# Altium PCB unisat_top.PcbDoc (part 2 of 2)
Units mm, origin at the board's own origin, x right, y up, seen from the top; angles counter-clockwise.
Board outline 111 x 111 mm, 2 copper layers (Top Layer, Bottom Layer), stack 0.98 mm thick; 125 components, 78 nets, 412 pads, 405 vias.
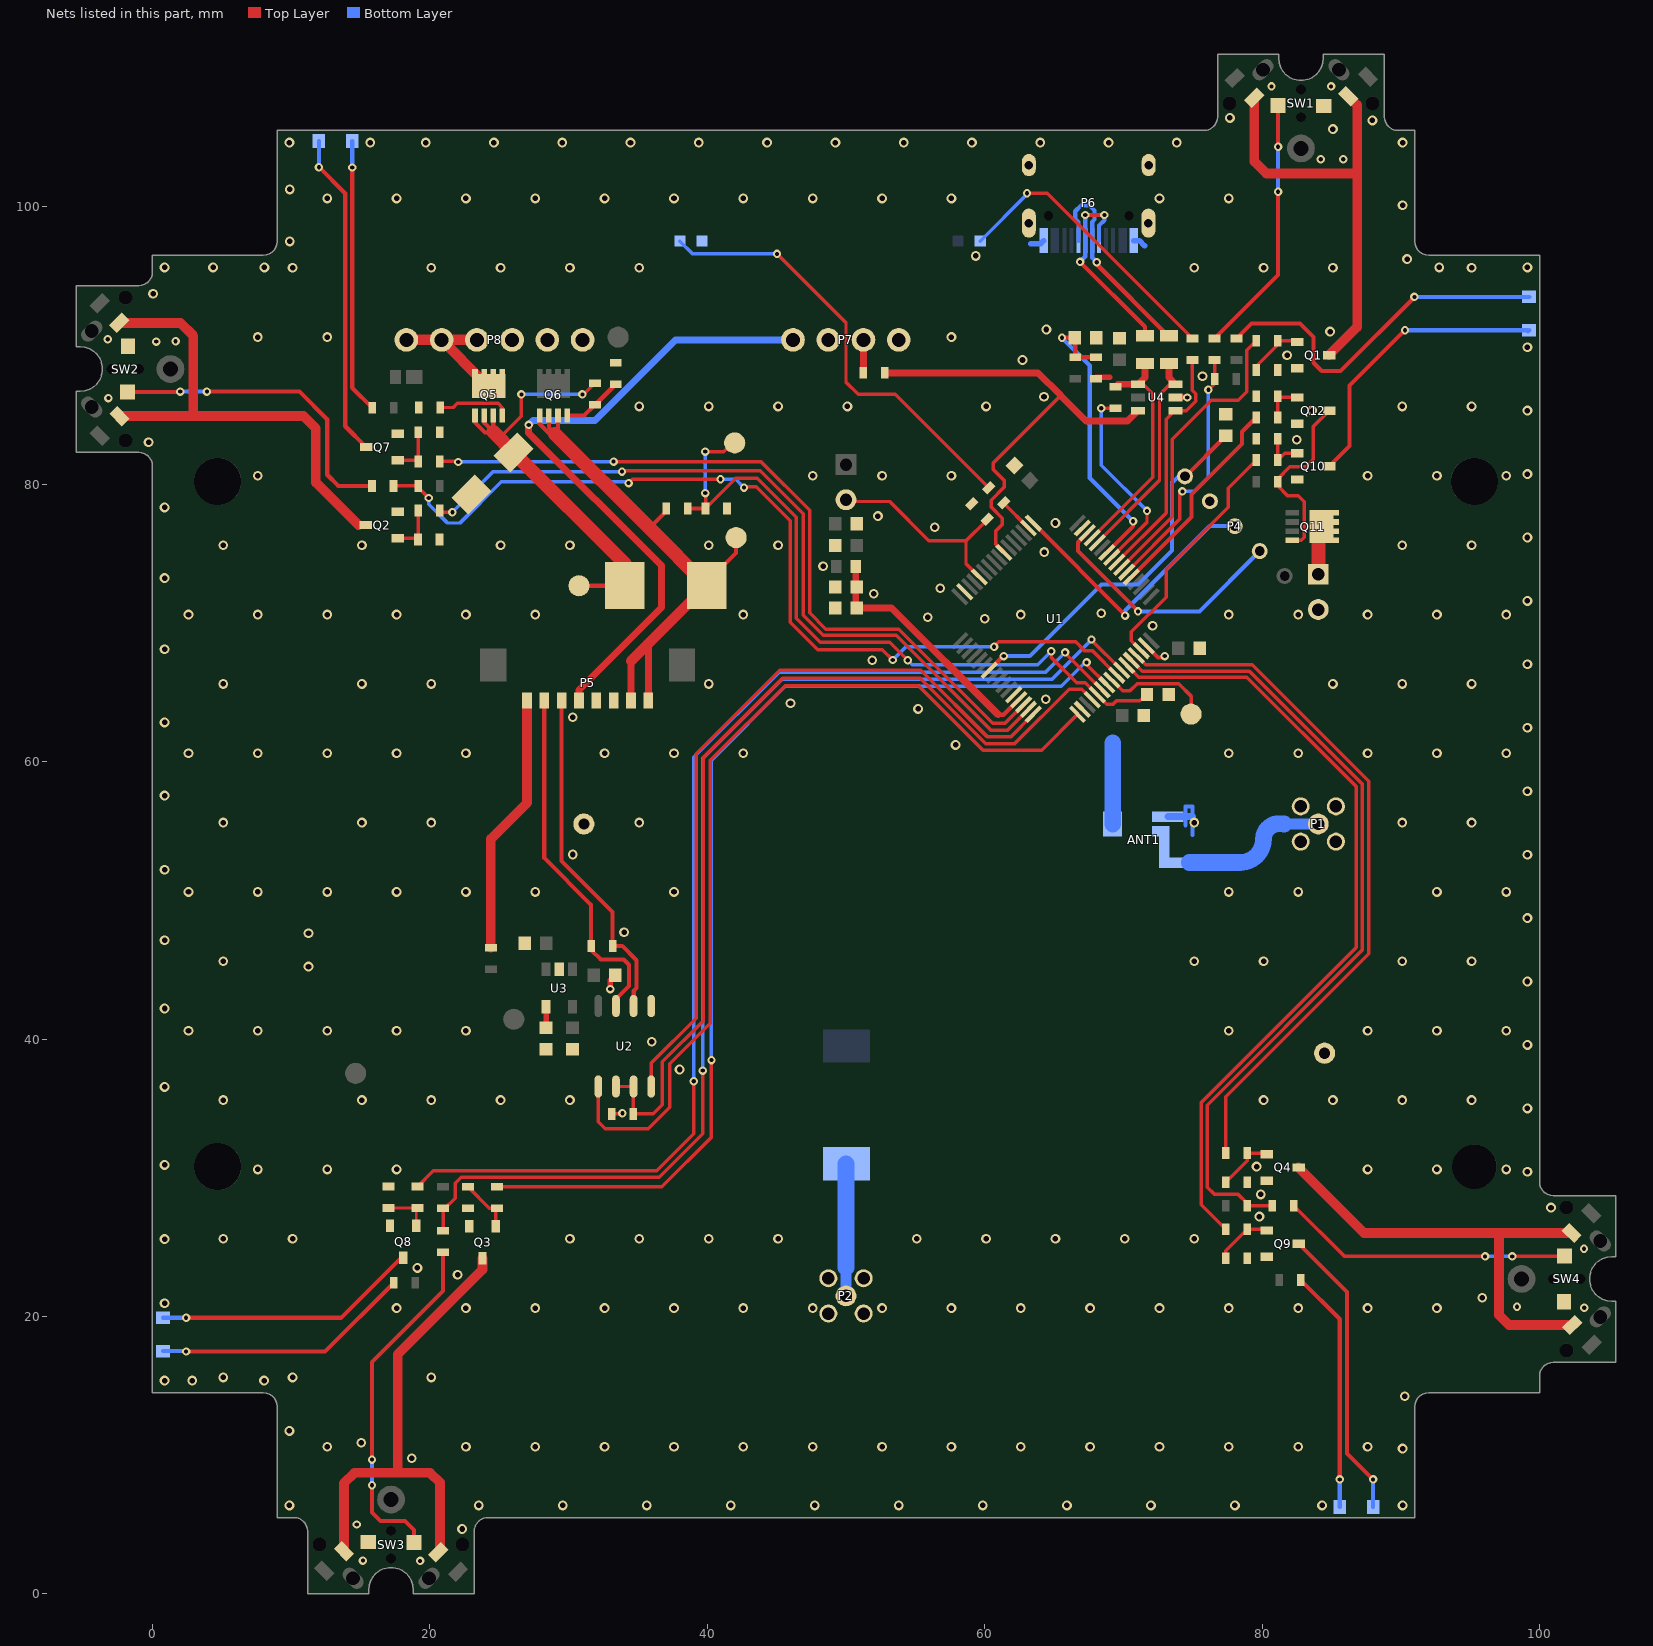
[diagram p2: the nets of this part, all layers, seen from the top]

## Via types
v1: diameter 0.705, hole 0.4, Top Layer to Bottom Layer, tented both sides, 287 vias
v2: diameter 0.605, hole 0.3, Top Layer to Bottom Layer, tented both sides, 118 vias

## Nets (pads, with @x,y where several pads share a name; then routed paths per layer and width w, separated by ;. In a path a pad name is that pad's centre, name@x,y a point inside that pad or via, vN(x,y) a via of type N, cw(c..) or ccw(c..) an arc to the next point about the centre after c; other vN are vias at no path point) (continued)
+VIN: D7.2 D8.2 Q5.1 R39.2 TP9.0 | length 32.2
  Top Layer w0.25: 25.25,83.55 26.6,84.9 v2(26.6,86.475) ; v2(31,86.475) 31.1,86.475 R39.2@31.9,87.275
  Top Layer w0.3: Q5.1@23.25,84.95 23.25,84.45 23.975,83.725 24.534,83.725 24.575,83.766 24.57,83.771 ; Q5.1@23.91,84.95 23.91,84.431 24.57,83.771 ; Q5.1@24.57,84.95 24.57,83.771 ; TP9.0@30.75,72.675 34.025,72.675 D8.2@34.05,72.7
  Top Layer w1: 24.575,83.766 D7.2@26.045,82.295 34.05,74.291 D8.2@34.05,72.7
  Bottom Layer w0.25: v2(26.6,86.475) v2(31,86.475)
+VSYS: D8.1 P5.1 P5.2 Q6.1 R34.2 TP8.0 | length 40.9
  Top Layer w0.3: Q6.1@27.92,84.95 27.92,84.33 28.625,83.625 ; Q6.1@28.58,84.95 28.58,84.07 29.025,83.625 29.24,83.84 Q6.1@29.24,84.95 ; 35.825,76.825 37.05,78.05 R34.2@37.05,78.25 ; D8.1@39.95,72.7 39.95,72.9 42.075,75.025 TP8.0@42.075,76.15
  Top Layer w0.5: P5.2@34.5,64.4 34.5,67.25 ; P5.1@35.75,64.4 35.75,68.5
  Top Layer w0.75: 34.5,67.25 35.75,68.5 D8.1@39.95,72.7
  Top Layer w1: 29.025,83.625 35.825,76.825 D8.1@39.95,72.7
_USB_DM: P6.A7 P6.B7 R35.1 | length 15.4
  Top Layer w0.3: v2(68.075,96) 68.075,95.85 73.225,90.7 R35.1@73.275,90.7
  Bottom Layer w0.3: P6.B7@66.75,97.55 66.75,98.9 66.525,99.125 66.525,99.675 66.95,100.1 67.55,100.1 67.925,99.725 67.925,99.075 67.75,98.9 P6.A7@67.75,97.55 67.75,96.325 v2(68.075,96)
_USB_DP: P6.A6 P6.B6 R36.1 | length 14.2
  Top Layer w0.3: v2(66.875,96.025) 71.55,91.35 R36.1@71.55,90.7 ; v2(67.25,99.4) v2(68.625,99.4)
  Bottom Layer w0.3: v2(66.875,96.025) 67.25,96.4 P6.A6@67.25,97.55 v2(67.25,99.4) ; P6.B6@68.25,97.55 68.25,98.65 68.625,99.025 v2(68.625,99.4)
ACT_LED: R26.1 U1.50 | length 2.5
  Top Layer w0.25: R26.1@61.373,78.652 61.373,78.623 U1.50@63.155,76.841
ANT_1: R1.1 R6.2 U1.38 | length 18.4
  Top Layer w0.25: U1.38@70.227,73.659 74.075,77.507 74.075,79.3 v2(74.254,79.479) ; v2(76.125,86.8) 76.575,87.25 R6.2@76.575,88.95
  Bottom Layer w0.25: v2(74.254,79.479) 75.104,79.479 76.125,80.5 v2(76.125,86.8)
ANT_2: R11.1 R12.2 U1.25 | length 66.2
  Top Layer w0.25: R12.2@17.375,79.875 R11.1@19.143,79.875 ; R11.1@19.15,79.868 R11.1@19.143,79.875 ; v2(19.925,79) 19.143,79.782 R11.1@19.143,79.875 ; v2(34.325,80.075) 34.6,80.35 v2(40.95,80.35) ; v2(42.65,79.75) 42.7,79.8 43.525,79.8 45.975,77.35 45.975,70.05 47.95,68.075 52.625,68.075 v2(53.375,67.325) ; v2(60.675,68.275) 61.025,68.625 66.575,68.625 67.225,67.975 67.779,67.975 U1.25@69.519,66.234
  Bottom Layer w0.25: v2(19.925,79) 19.925,78.55 21.275,77.2 22.175,77.2 25.153,80.178 34.222,80.178 v2(34.325,80.075) ; v2(40.95,80.35) 42.05,80.35 v2(42.65,79.75) ; v2(53.375,67.325) 54.325,68.275 v2(60.675,68.275)
ANT_3: R17.1 R18.2 U1.26 | length 85
  Top Layer w0.25: R18.2@20.95,26.175 R17.1@20.95,27.791 21.091,27.791 21.825,28.525 21.825,29.6 22.25,30.025 36.525,30.025 39.678,33.178 39.678,37.722 v2(39.675,37.725) ; v2(67.7,68.8) 67.7,68.761 U1.26@69.873,66.588
  Bottom Layer w0.25: v2(39.675,37.725) 39.675,60.225 45.4,65.95 64.875,65.95 66.75,67.825 67.7,68.775 v2(67.7,68.8)
ANT_4: R23.1 R24.2 U1.28 | length 59.4
  Top Layer w0.25: U1.28@70.58,67.295 70.615,67.295 70.615,67.26 71.35,66.525 79.086,66.525 87.225,58.386 87.225,46.414 76.05,35.239 76.05,29.325 76.55,28.825 78.25,28.825 78.925,28.15 R23.1@78.925,27.984 R24.2@80.725,27.984
ARM: R32.1 U1.55 U4.6 | length 34.9
  Top Layer w0.25: U1.55@61.388,75.073 61.388,75.108 60.78,75.716 60.78,76.593 61.275,77.088 61.275,77.55 60.475,78.35 60.475,78.85 61.425,79.8 61.425,80.25 60.6,81.075 60.6,81.5 65.463,86.362 65.463,86.398 65.463,86.413
  Top Layer w0.5: R32.1@52.8,88.025 63.85,88.025 65.463,86.413 ; 65.463,86.398 67.311,84.55 70.3,84.55 U4.6@71.05,85.3
AVDD: C9.2 C10.2 FB1.2 U1.13 | length 18.3
  Top Layer w0.3: 60.975,63.375 61.357,63.375 U1.13@62.448,64.466
  Top Layer w0.5: C10.2@50.705,71.075 FB1.2@50.705,74.075 ; C10.2@50.775,71.075 53.275,71.075 60.975,63.375
BALLOON_1: R54.2 U1.37 | length 15.2
  Top Layer w0.3: U1.37@70.58,73.305 74.906,77.631 74.906,79.256 78.55,82.9 78.55,83.778 R54.2@79.575,84.803
BOOT: P3.2 R27.2 U1.60 | length 15
  Top Layer w0.25: P3.2@50,78.75 53.15,78.75 55.975,75.925 58.65,75.925 ; U1.60@59.62,73.305 58.65,74.275 58.65,75.925 ; R27.2@60.173,77.477 60.173,77.448 58.65,75.925
GND: ANT1.2 C1.1 C2.1 C3.2 C4.1 C5.1 C6.1 C7.1 C8.1 C9.1 C10.1 C11.2 C12.2 C13.1 C14.1 C15.1 D6.1 D7.1 P1.1 P2.1 P4.2 P5.3 P5.4 P6.A1 P6.A12 P6.SH1 P6.SH2 P6.SH3 P6.SH4 P7.1 P7.3 P8.1 P8.2 P8.3 P9.2 Q1.2 Q2.2 Q3.2 Q4.2 Q7.2 Q8.2 Q9.2 Q10.2 Q12.2 R9.1 R10.1 R21.1 R22.1 R27.1 R29.1 R31.2 R37.1 R38.2 R40.2 R45.2 R46.2 R51.2 R52.2 R55.2 SW1.2 SW2.2 SW3.2 SW4.2 TP2.0 TP3.0 U1.12 U1.18 U1.31 U1.47 U1.63 U2.5 U3.2 U4.2 | length 19.2
  Top Layer w0.25: R29.1@33.125,34.6 33.825,34.6 v2(33.877,34.652)
  Top Layer w0.3: U1.31@71.641,68.355 72.496,67.5 73.025,67.5 73.025,67.6 73.022,67.603 v2(72.979,67.603)
  Top Layer w0.4: v2(33,43.6) 33,44.225 C2.1@33.375,44.6 ; R31.2@68.025,87.6 68.025,87.7 69,87.7 ; U4.2@73.75,86.25 v2(74.6,86.25)
  Bottom Layer w0.3: 74.475,55.406 74.475,56.03 74.475,56.75 74.975,56.75 74.975,56.05 74.975,54.7
  Bottom Layer w0.4: 63.325,97.325 64.025,97.325 P6.A1@64.25,97.55 ; P6.A12@70.75,97.55 71.15,97.55 71.525,97.175
  Bottom Layer w0.5: ANT1.2@73.2,56.03 74.475,56.03 74.955,56.03 74.975,56.05
  Bottom Layer w1.2: ANT1.2@69.22,55.5 69.22,61.345
  other v1: 22.325,4.675 9.875,6.375 23.525,6.375 29.582,6.375 35.639,6.375 41.695,6.375 47.752,6.375 53.809,6.375 59.866,6.375 65.923,6.375 71.98,6.375 78.036,6.375 84.325,6.375 90.125,6.375 18.7,9.775 90.125,10.475 12.6,10.6 22.6,10.6 27.6,10.6 32.6,10.6 37.6,10.6 42.6,10.6 47.6,10.6 52.6,10.6 57.6,10.6 62.6,10.6 67.6,10.6 72.6,10.6 77.6,10.6 82.6,10.6 87.6,10.6 15.05,10.9 9.875,11.75 90.275,14.25 0.875,15.375 2.875,15.375 8.05,15.375 5.1,15.6 10.1,15.6 20.1,15.6 17.6,20.6 22.6,20.6 27.6,20.6 32.6,20.6 37.6,20.6 42.6,20.6 47.6,20.6 52.6,20.6 57.6,20.6 62.6,20.6 67.6,20.6 72.6,20.6 77.6,20.6 82.6,20.6 87.6,20.6 92.6,20.6 0.875,20.95 95.875,21.35 22,23 19.1,23.5 0.875,25.575 5.1,25.6 10.1,25.6 30.1,25.6 35.1,25.6 40.1,25.6 45.1,25.6 55.1,25.6 60.1,25.6 65.1,25.6 70.1,25.6 75.1,25.6 79.8,27.2 100.825,27.85 79.9,28.8 99.125,30.425 7.6,30.6 12.6,30.6 17.6,30.6 87.6,30.6 92.6,30.6 97.6,30.6 79.6,30.8 0.875,30.925 99.125,34.998 5.1,35.6 15.1,35.6 20.1,35.6 25.1,35.6 30.1,35.6 80.1,35.6 85.1,35.6 90.1,35.6 95.1,35.6 0.875,36.55 38,37.8 99.125,39.571 36,39.8 2.6,40.6 7.6,40.6 12.6,40.6 17.6,40.6 22.6,40.6 77.6,40.6 87.6,40.6 92.6,40.6 97.6,40.6 0.875,42.2 99.125,44.144 11.25,45.225 5.1,45.6 75.1,45.6 80.1,45.6 90.1,45.6 95.1,45.6 0.875,47.125 11.25,47.625 34,47.7 99.125,48.717 2.6,50.6 7.6,50.6 12.6,50.6 17.6,50.6 22.6,50.6 27.6,50.6 37.6,50.6 77.6,50.6 82.6,50.6 92.6,50.6 97.6,50.6 0.875,52.2 30.3,53.3 99.125,53.29 5.1,55.6 15.1,55.6 20.1,55.6 35.1,55.6 75.1,55.6 90.1,55.6 95.1,55.6 0.875,57.55 99.125,57.863 2.6,60.6 7.6,60.6 12.6,60.6 17.6,60.6 22.6,60.6 32.6,60.6 37.6,60.6 42.6,60.6 77.6,60.6 82.6,60.6 87.6,60.6 92.6,60.6 97.6,60.6 57.9,61.2 99.125,62.437 0.875,62.825 30.3,63.2 55.2,63.8 46,64.2 64.4,64.5 5.1,65.6 15.1,65.6 20.1,65.6 40.1,65.6 85.1,65.6 90.1,65.6 95.1,65.6 99.125,67.01 51.9,67.3 0.875,68.1 72.1,69.8 60,70.3 55.9,70.4 2.6,70.6 7.6,70.6 12.6,70.6 17.6,70.6 22.6,70.6 27.6,70.6 42.6,70.6 62.6,70.6 77.6,70.6 82.6,70.6 87.6,70.6 92.6,70.6 97.6,70.6 68.4,70.7 99.125,71.583 52,72.1 56.8,72.5 0.875,73.225 48.35,74.075 64.3,75.1 5.1,75.6 15.1,75.6 25.1,75.6 30.1,75.6 40.1,75.6 45.1,75.6 90.1,75.6 95.1,75.6 99.125,76.156 56.4,76.9 65.1,77.2 52.3,77.7 0.875,78.325 7.6,80.6 47.6,80.6 52.6,80.6 57.6,80.6 87.6,80.6 92.6,80.6 97.6,80.6 99.125,80.729 -0.275,83.025 82.5,83.2 83.6,85.3 99.125,85.302 35.1,85.6 40.1,85.6 45.1,85.6 50.1,85.6 60.1,85.6 90.1,85.6 95.1,85.6 64.275,86.3 75.7,87.775 62.725,88.95 81.8,89.3 99.125,89.875 7.6,90.6 12.6,90.6 57.6,90.6 84.9,91 64.45,91.15 0.05,93.725 10.1,95.6 20.1,95.6 25.1,95.6 30.1,95.6 35.1,95.6 75.1,95.6 80.1,95.6 85.1,95.6 95.1,95.6 0.875,95.625 4.375,95.625 8.075,95.625 92.775,95.625 99.125,95.625 90.45,96.225 59.35,96.45 9.9,97.5 90.125,100.1 12.6,100.6 17.6,100.6 22.6,100.6 27.6,100.6 32.6,100.6 37.6,100.6 42.6,100.6 47.6,100.6 52.6,100.6 57.6,100.6 72.6,100.6 77.6,100.6 9.9,101.25 9.875,104.625 15.7,104.625 19.696,104.625 24.619,104.625 29.542,104.625 34.465,104.625 39.388,104.625 44.312,104.625 49.235,104.625 54.158,104.625 59.081,104.625 64.004,104.625 68.927,104.625 73.85,104.625 90.125,104.625 85.1,105.6 87.95,106.225 77.675,106.4
  other v2: 19.3,2.375 15.175,2.4 14.725,5 103.225,20.625 98.375,20.7 103.2,24.875 -3.175,86.2 0.275,90.275 1.675,90.3 -3.225,90.45 84.225,103.425 85.85,103.425 80.675,108.675 84.975,108.675
KNIFE_1: R7.2 U1.39 | length 21.5
  Top Layer w0.25: U1.39@69.873,74.012 73.525,77.664 73.525,83.25 76.325,86.05 78.287,86.05 78.9,86.663 78.9,89.663 R7.2@79.575,90.338
KNIFE_2: R8.2 U1.15 | length 56.4
  Top Layer w0.25: R8.2@20.7,78.1 20.825,77.975 v2(21.625,77.975) ; v2(33.85,80.9) 33.928,80.978 43.815,80.978 46.925,77.868 46.925,70.539 48.364,69.1 53.614,69.1 60.439,62.275 61.671,62.275 U1.15@63.155,63.759
  Bottom Layer w0.25: v2(21.625,77.975) 24.55,80.9 v2(33.85,80.9)
KNIFE_3: R19.2 U1.23 | length 76.3
  Top Layer w0.25: R19.2@24.85,29.35 36.725,29.35 40.303,32.928 v2(40.303,38.475) ; v2(67.35,67.15) 67.35,66.989 U1.23@68.812,65.527
  Bottom Layer w0.25: v2(40.303,38.475) 40.303,60.103 45.625,65.425 65.525,65.425 67.25,67.15 v2(67.35,67.15)
KNIFE_4: R20.2 U1.29 | length 51.6
  Top Layer w0.25: U1.29@70.934,67.648 71.607,66.975 79.273,66.975 87.675,58.573 87.675,46.15 77.375,35.85 R20.2@77.375,31.78
LED_1: R43.2 U1.14 | length 54.8
  Top Layer w0.25: R43.2@20.716,81.637 22.013,81.637 v2(22.05,81.6) ; v2(33.25,81.625) 43.875,81.625 47.375,78.125 47.375,70.725 48.55,69.55 53.8,69.55 60.575,62.775 61.464,62.775 U1.14@62.802,64.113
  Bottom Layer w0.25: v2(22.05,81.6) 22.075,81.625 v2(33.25,81.625)
LED_2: R44.2 U1.22 | length 82.3
  Top Layer w0.25: R44.2@19.113,29.366 20.248,30.5 36.364,30.5 39.025,33.161 v2(39.025,36.95) ; v2(65.8,67.875) 65.8,67.813 68.439,65.173 U1.22@68.459,65.173
  Bottom Layer w0.25: v2(39.025,36.95) 39.025,60.3 45.15,66.425 64.35,66.425 v2(65.8,67.875)
LED_3: R49.2 U1.27 | length 57.4
  Top Layer w0.25: U1.27@70.227,66.941 71.093,66.075 78.9,66.075 86.775,58.2 86.775,46.6 75.6,35.425 75.6,28.063 R49.2@77.375,26.288
LED_4: R50.2 U1.30 | length 17.8
  Top Layer w0.25: U1.30@71.287,68.002 71.287,68.013 70.575,68.725 70.575,69.35 73.075,71.85 73.075,73.85 77.55,78.325 77.55,79.708 R50.2@79.575,81.733
NetANT1_1: ANT1.1 P1.2 | length 11
  Bottom Layer w0.8: 81.575,55.5 83.9,55.495 84,55.495 P1.2@84.01,55.495 ; P1.2@84.055,55.5 ccw(c84.035,55.5) P1.2@84.035,55.52 ; P1.2@84.01,55.495 P1.2@84.033,55.517 ; P1.2@84.01,55.495 P1.2@84.033,55.517 ; P1.2@84.033,55.517 P1.2@84.035,55.52 ; P1.2@84.033,55.517 P1.2@84.035,55.52
  Bottom Layer w1.2: 74.75,52.725 78.4,52.725 ccw(c78.4,54.425) 80.1,54.425 cw(c81.195,54.425) 81.195,55.52 81.575,55.5
NetANT2_1: ANT2.1 P2.2 | length 9.4
  Bottom Layer w0.8: P2.2@50,21.375 P2.2@50,21.48 50,23.35
  Bottom Layer w1.2: 50,23.531 ANT2.1@50,31
NetC11_1: C11.1 U3.4 | length 1.5
  Top Layer w0.4: C11.1@28.375,40.825 U3.4@28.375,42.325
NetD1_1: D1.1 Q7.3 | length 23.5
  Top Layer w0.3: v2(12,102.85) 13.9,100.95 13.9,84.175 Q7.3@15.4,82.675
  Bottom Layer w0.3: v2(12,102.85) D1.1@12,104.75
NetD1_2: D1.2 R41.1 | length 19.8
  Top Layer w0.3: v2(14.4,102.825) 14.4,86.953 R41.1@15.85,85.503
  Bottom Layer w0.3: v2(14.4,102.825) D1.2@14.4,104.75
NetD2_1: D2.1 Q8.3 | length 19.1
  Top Layer w0.3: v2(2.425,19.9) 13.6,19.9 17.925,24.225 Q8.3@18.075,24.225
  Bottom Layer w0.3: D2.1@0.751,19.9 v2(2.425,19.9)
NetD2_2: D2.2 R42.1 | length 18.7
  Top Layer w0.3: v2(2.425,17.475) 12.45,17.475 R42.1@17.4,22.425
  Bottom Layer w0.3: D2.2@0.751,17.5 2.4,17.5 v2(2.425,17.475)
NetD3_1: D3.1 Q9.3 | length 21.2
  Top Layer w0.3: Q9.3@82.625,25.25 86.125,21.75 86.125,10.125 v2(88,8.25)
  Bottom Layer w0.3: D3.1@88,6.25 v2(88,8.25)
NetD3_2: D3.2 R47.1 | length 17.5
  Top Layer w0.3: R47.1@82.775,22.625 85.6,19.8 v2(85.6,8.25)
  Bottom Layer w0.3: D3.2@85.6,6.25 v2(85.6,8.25)
NetD4_1: D4.1 Q10.3 | length 21.1
  Top Layer w0.3: Q10.3@84.825,81.283 86.3,82.758 86.3,87.1 v2(90.3,91.1)
  Bottom Layer w0.3: v2(90.3,91.1) 99.101,91.1 99.176,91.025 D4.1@99.251,91.1
NetD4_2: D4.2 R48.1 | length 26.3
  Top Layer w0.3: R48.1@78.15,90.5 79.225,91.575 82.725,91.575 83.7,90.6 83.7,88.75 84.3,88.15 85.65,88.15 90.975,93.475 v2(90.975,93.5)
  Bottom Layer w0.3: v2(90.975,93.5) D4.2@99.251,93.5
NetD5_1: D5.1 R25.1 | length 21.1
  Top Layer w0.25: v2(63.05,100.975) 64.51,100.975 74.975,90.51 R25.1@74.975,90.5
  Bottom Layer w0.25: D5.1@59.675,97.525 63.05,100.9 v2(63.05,100.975)
NetD6_2: D6.2 R26.2 | length 32.1
  Top Layer w0.25: v2(45.025,96.6) 50,91.625 50,87.35 50.875,86.475 53.55,86.475 R26.2@60.277,79.748
  Bottom Layer w0.25: D6.2@38.025,97.525 38.925,96.625 45,96.625 v2(45.025,96.6)
NetF1_1: F1.1 P5.8 | length 18.9
  Top Layer w0.7: F1.1@24.4,46.575 24.4,54.425 27,57.025 P5.8@27,64.4
NetP7_2: P7.2 R32.2 | length 2.4
  Top Layer w0.25: R32.2@51.25,88.025 R32.2@51.26,88.035
  Top Layer w0.5: R32.2@51.26,88.035 P7.2@51.26,90.4
NetP8_4: P8.4 P8.5 P8.6 Q5.3 | length 9.3
  Top Layer w0.75: P8.6@18.31,90.4 P8.5@20.85,90.4 ; P8.4@23.39,90.4 P8.5@20.85,90.4 ; Q5.3@23.883,87.433 23.817,87.433 P8.5@20.85,90.4
NetP9_1: P9.1 Q11.3 | length 3.5
  Top Layer w1: P9.1@84.05,73.5 84.05,76.7 Q11.3@84.29,76.94
NetQ1_1: Q1.1 R7.1 R9.2 | length 4.2
  Top Layer w0.25: R9.2@79.575,88.238 79.575,88.5 81.125,90.05 R7.1@81.125,90.338 Q1.1@82.437,90.338
  Top Layer w0.3: Q1.1@82.437,90.338 Q1.1@82.525,90.25
NetQ1_3: Q1.3 R2.1 R3.1 | length 31.9
  Top Layer w0.7: R3.1@79.432,107.868 79.432,103.268 80.3,102.4 86.575,102.4 ; Q1.3@84.825,89.3 86.85,91.325 86.85,107.336 R2.1@86.218,107.968
NetQ2_1: Q2.1 R8.1 R10.2 | length 3.6
  Top Layer w0.25: Q2.1@17.675,76.1 19.041,76.1 R10.2@19.141,76 19.15,76.009 R8.1@19.15,78.1
NetQ2_3: Q2.3 R4.1 R5.1 | length 34.3
  Top Layer w0.7: R4.1@-2.388,91.624 2.025,91.624 2.95,90.699 2.95,84.907 ; R5.1@-2.372,84.907 2.95,84.907 ; 14.85,77.05 11.775,80.125 11.775,84.025 10.893,84.907 2.95,84.907
NetQ3_1: Q3.1 R19.1 R21.2 | length 4.1
  Top Layer w0.25: R21.2@22.75,29.341 24.291,27.8 R19.1@24.85,27.8 24.75,27.7 Q3.1@24.75,26.5
NetQ3_3: Q3.3 R13.1 R14.1 | length 35.3
  Top Layer w0.7: R13.1@13.807,3.082 13.807,7.982 14.55,8.725 17.675,8.725 ; R14.1@20.725,3.114 20.725,8.025 20.025,8.725 17.675,8.725 ; Q3.3@23.8,24.2 23.8,23.375 17.675,17.25 17.675,8.725
NetQ4_1: Q4.1 R20.1 R22.2 | length 4.2
  Top Layer w0.25: R22.2@77.375,29.68 78.925,31.23 R20.1@78.925,31.78 80.237,31.78 Q4.1@80.325,31.692
NetQ4_3: Q4.3 R15.1 R16.1 | length 33.1
  Top Layer w0.7: Q4.3@82.625,30.742 87.349,26.018 97.075,26.018 ; R15.1@102.306,26.018 97.075,26.018 ; R16.1@102.346,19.382 97.793,19.382 97.075,20.1 97.075,26.018
NetQ5_2: Q5.2 R38.1 | length 5.3
  Top Layer w0.25: R38.1@20.75,85.525 21.675,85.525 21.975,85.825 24.925,85.825 25.23,85.52 Q5.2@25.23,84.95
NetQ6_2: Q6.2 R39.1 R40.1 | length 4.4
  Top Layer w0.3: Q6.2@29.9,84.95 31.125,84.95 R39.1@31.9,85.725 31.925,85.725 R40.1@33.4,87.2
NetQ7_1: Q7.1 R43.1 R45.1 | length 3.4
  Top Layer w0.25: Q7.1@17.7,81.725 19.077,81.725 19.166,81.813 R45.1@19.166,83.737
NetQ8_1: Q8.1 R44.1 R46.1 | length 3.4
  Top Layer w0.2: R46.1@17.013,27.816 R44.1@19.113,27.816 19.025,27.727 Q8.1@19.025,26.525
NetQ9_1: Q9.1 R49.1 R51.1 | length 4.2
  Top Layer w0.25: R51.1@77.375,24.188 77.375,24.738 R49.1@78.925,26.288 80.237,26.288 Q9.1@80.325,26.2
NetQ10_1: Q10.1 R50.1 R52.1 | length 3.1
  Top Layer w0.25: R52.1@81.125,83.268 R50.1@81.125,81.733 81.626,82.233 Q10.1@82.525,82.233
NetQ11_2: Q11.2 Q12.3 R53.2 | length 13.6
  Top Layer w0.25: Q11.2@82.165,75.95 82.825,75.95 83.05,76.175 83.05,78.725 82.6,79.175 81.825,79.175 81.125,79.875 R53.2@81.125,80.175 81.125,80.375 82,81.25 83.15,81.25 83.7,81.8 83.7,84.175 Q12.3@84.825,85.3
NetQ12_1: Q12.1 R54.1 R55.1 | length 3
  Top Layer w0.25: R54.1@81.125,84.75 R55.1@81.125,86.338 81.213,86.25 Q12.1@82.525,86.25
NetR6_1: R6.1 SW1.1 | length 18.7
  Top Layer w0.3: R6.1@76.575,90.5 81.15,95.075 v2(81.15,101.075) ; v2(81.15,104.325) SW1.1@81.15,107.3
  Bottom Layer w0.3: v2(81.15,101.075) v2(81.15,104.325)
NetR12_1: R12.1 SW2.1 | length 23
  Top Layer w0.3: SW2.1@-1.975,86.825 SW2.1@-1.8,86.65 1.975,86.65 v2(2,86.675) ; v2(3.925,86.675) 10.6,86.675 12.6,84.675 12.6,80.675 13.4,79.875 R12.1@15.825,79.875
  Bottom Layer w0.3: v2(2,86.675) v2(3.925,86.675)
NetR18_1: R18.1 SW3.1 | length 25.2
  Top Layer w0.3: v2(15.825,7.825) 15.825,5.875 16.45,5.25 18.2,5.25 18.85,4.6 SW3.1@18.85,3.95 ; v2(15.825,9.675) 15.827,9.677 15.827,16.702 20.95,21.825 R18.1@20.95,24.625
  Bottom Layer w0.3: v2@15.825,7.675 v2(15.825,7.825) v2(15.825,9.675)
NetR24_1: R24.1 SW4.1 | length 21.1
  Top Layer w0.25: R24.1@82.275,27.984 85.934,24.325 v2(96.075,24.325) ; v2(98.025,24.325) 98.05,24.35 SW4.1@101.8,24.35
  Bottom Layer w0.25: v2(96.075,24.325) v2(98.025,24.325)
RBF: P5.5 P7.4 | length 47.9
  Top Layer w0.5: v2(27.125,84.275) 27.125,83.7 36.7,74.125 36.7,71.1 30.75,65.15 P5.5@30.75,64.4
  Bottom Layer w0.5: v2(27.125,84.275) 27.45,84.6 31.902,84.6 37.702,90.4 P7.4@46.18,90.4
RESET: C1.2 P4.1 U1.7 | length 26.9
  Top Layer w0.3: U1.7@60.327,66.588 61.339,67.6 v2(61.375,67.6) ; P4.1@74.437,80.563 74.463,80.563 C1.2@77.375,83.475
  Bottom Layer w0.3: v2(61.375,67.6) 63.25,67.6 68.425,72.775 71.05,72.775 73.5,75.225 73.5,80.1 73.963,80.563 P4.1@74.437,80.563
RS485_A: P5.6 R28.2 U2.6 | length 24.8
  Top Layer w0.3: P5.6@29.5,64.4 29.5,52.825 33.175,49.15 R28.2@33.175,46.7 33.875,46.7 34.9,45.675 34.9,43.675 34.7,43.475 34.7,42.39 U2.6@34.685,42.375
RS485_B: P5.7 R28.1 U2.7 | length 25.9
  Top Layer w0.3: P5.7@28.25,64.4 28.25,53.05 31.625,49.675 R28.1@31.625,46.7 31.625,46.425 32.325,45.725 33.975,45.725 34.35,45.35 34.35,43.832 33.415,42.897 U2.7@33.415,42.375
RSDE: R29.2 U1.20 U2.2 U2.3 | length 66.2
  Top Layer w0.25: U2.2@33.415,36.575 U2.3@34.685,36.575 34.675,36.565 R29.2@34.675,34.6 36.1,34.6 36.75,35.25 36.75,38.35 39.725,41.325 39.725,60.3 45.425,66 55.339,66 60.064,61.275 62.15,61.275 66.1,65.225 66.993,65.225 U1.20@67.752,64.466
SWCLK: P4.3 U1.49 | length 20.2
  Top Layer w0.3: U1.49@63.509,77.194 70.125,70.578 v2(70.125,70.525)
  Bottom Layer w0.3: v2(70.125,70.525) 70.125,70.875 76.221,76.971 P4.3@78.029,76.971
SWDIO: P4.4 U1.46 | length 18.3
  Top Layer w0.3: U1.46@67.398,76.487 66.725,75.814 66.725,75.175 71.05,70.85 v2(71.05,70.825)
  Bottom Layer w0.3: v2(71.05,70.825) 75.475,70.825 P4.4@79.825,75.175
TP_1: TP1.0 U1.24 | length 7.9
  Top Layer w0.25: U1.24@69.166,65.881 69.946,65.1 70.475,65.1 71,65.625 73.975,65.625 74.875,64.725 TP1.0@74.875,63.425
URX_RSTX: U1.17 U2.1 | length 66.5
  Top Layer w0.25: U2.1@32.145,36.575 32.145,34.025 32.645,33.525 35.75,33.525 37.3,35.075 37.3,38.225 40.225,41.15 40.225,60.093 45.607,65.475 55.227,65.475 59.877,60.825 64.11,60.825 U1.17@66.691,63.406
USB_DM: R35.2 U1.44 U4.3 | length 15.7
  Top Layer w0.25: U1.44@68.105,75.78 72.6,80.275 72.6,86.45 73.325,87.175 73.725,87.175 U4.3@73.75,87.2
  Top Layer w0.5: R35.2@73.275,88.7 73.275,87.675 U4.3@73.75,87.2
USB_DP: R33.1 R36.2 U1.45 U4.4 | length 17
  Top Layer w0.25: U1.45@67.752,76.134 72.125,80.507 72.125,86.525 71.475,87.175 71.075,87.175 U4.4@71.05,87.2
  Top Layer w0.5: R33.1@69.425,87.025 69.6,87.2 U4.4@71.05,87.2 71.55,87.7 R36.2@71.55,88.7
USB_NOE: R25.2 U1.40 U4.1 | length 17.5
  Top Layer w0.25: U1.40@69.519,74.366 73.075,77.921 73.075,84.675 73.7,85.3 U4.1@73.75,85.3 74.537,85.3 75.228,85.99 75.228,86.51 74.975,86.762 R25.2@74.975,88.95
USB_PULL: R33.2 U1.41 | length 14.2
  Top Layer w0.25: v2(68.4,85.475) R33.2@69.425,85.475 ; U1.41@69.166,74.719 71.7,77.254 v2(71.7,78.075)
  Bottom Layer w0.25: v2(68.4,85.475) 68.4,81.375 v2(71.7,78.075)
UTX_RSRX: U1.16 U2.4 | length 54.8
  Top Layer w0.25: U2.4@35.955,36.575 35.975,36.595 35.975,38.275 39.2,41.5 39.2,60.55 45.225,66.575 55.4,66.575 60.2,61.775 61.878,61.775 U1.16@63.509,63.406
VBUS_DET: C13.2 R30.1 R31.1 U1.42 | length 22.2
  Top Layer w0.3: v2(65.575,90.55) C13.2@66.506,90.55 66.525,90.531 R30.1@66.525,89.15 R31.1@68.025,89.15 ; U1.42@68.812,75.073 70.7,76.961 v2(70.7,77.325)
  Bottom Layer w0.3: v2(65.575,90.55) 67.575,88.55 67.575,80.45 v2(70.7,77.325)
VSYS_DET: C14.2 R34.1 R37.2 TP6.0 U1.21 | length 53.4
  Top Layer w0.25: v2(39.85,79.35) 39.875,79.325 R37.2@39.875,78.25 42.05,80.425 43.6,80.425 46.425,77.6 46.425,70.325 48.15,68.6 53.15,68.6 v2(54.45,67.3) ; v2(39.85,82.35) 41.2,82.35 41.675,82.825 41.675,83.275 TP6.0@41.975,82.975 ; v2(64.8,67.95) 64.8,67.5 66.625,65.675 67.25,65.675 68.07,64.855 68.07,64.82 U1.21@68.105,64.82 68.8,64.125 69.25,64.125 69.5,64.375 71.175,64.375 C14.2@71.7,64.9
  Top Layer w0.3: R34.1@38.6,78.25 R37.2@39.875,78.25
  Bottom Layer w0.25: v2(39.85,79.35) v2(39.85,82.35) ; v2(54.45,67.3) 54.778,66.972 63.822,66.972 v2(64.8,67.95)
pads on no net: ANT2.2 M1.0 M2.0 M3.0 M4.0 P5.0 P6.0 P6.A5 P6.A8 P6.B5 P6.B8 SW1.0 SW2.0 SW3.0 SW4.0 U1.2 U1.3 U1.4 U1.5 U1.6 U1.8 U1.9 U1.10 U1.11 U1.33 U1.34 U1.35 U1.36 U1.43 U1.51 U1.52 U1.53 U1.54 U1.56 U1.57 U1.58 U1.59 U1.61 U1.62

## Polygon pours and split planes (outlines as drawn)
GND on Bottom Layer "Bot Layer_GND" (solid, remove dead copper, pour order 0): -5.5,0 105.5,0 105.5,111 -5.5,111
GND on Top Layer "TOP Layer_GND" (solid, remove dead copper, pour order 2): -5.5,0 105.5,0 105.5,111 -5.5,111

## Other copper
Top Layer:
  pour cut-out: 56.2,60.575 56.2,50.7 74.325,50.7 74.325,60.575
  pour cut-out: 42,54.725 42,27.95 74.2,27.95 74.2,54.725
Bottom Layer:
  pour cut-out: 56.175,50.7 56.175,60.575 74.33,60.575 74.33,50.7
  pour cut-out: 42,54.725 42,28 74.275,28 74.275,54.725
  text "'.hwver'" at 14.125,83.425 h1.2 r270

## Silkscreen, mask and mechanical layers (free items; w line width, h text height)
Top Overlay:
  lines w0.1: 15.6,86.575 18.025,86.575 18.325,86.275 ; 18.025,86.275 18.325,86.275 ; 18.325,86.275 18.325,86.55 18.325,86.275
  lines w0.15: 37.975,89 38.475,86.825 ; 38.075,87.15 38.475,86.825 ; 38.475,86.825 38.65,87.3 38.475,86.825
  lines w0.254: 79.65,91.675 80,91.275 ; 80,93.25 80,91.275 ; 80.3,91.675 80,91.275
  text "JLCJLCJLCJLC" at 25.95,65.925 h0.9
Bottom Overlay:
  drawing of 20 lines, arcs and shapes, not listed
  text "ANT 1" at 80.7,107.925 h0.9 r180
  text "RBF" at 45.9,103.575 h1.25 r180
  text "ARM" at 50.9,103.575 h1.25 r180
  text "ACT" at 37.275,100.575 h1.25 r180
  text "USB" at 57.375,100.575 h1.25 r180
  text "RBF" at 46.8,96.3 h1.25 r270
  text "ARM" at 52,96.3 h1.25 r270
  text "VCC" at 18.825,96.075 h1.25 r270
  text "VCC" at 21.35,96.05 h1.25 r270
  text "GND" at 26.675,96.05 h1.25 r270
  text "GND" at 29.2,96.05 h1.25 r270
  text "ANT 2" at -2.45,85.975 h1 r270
  text "TOP" at 15.35,74.45 h5 r270
  text "ANT 4" at 102.4,24.825 h0.9 r90
  text "ANT 3" at 19.3,3.1 h0.9
Outline:
  drawing of 182 lines, arcs and shapes, not listed
  text "Route out" at 44.51,54.845 h1.4
Mechanical 3:
  circle w1: c50.001,55.501 r8
  circle w0.254: c50,55.5 r27.152
  circle w0.254: c50,55.5 r14
  lines w1: 86.02,69.887 cw(c84.001,72.106) 81.88,69.985 64.485,87.38 cw(c66.606,89.501) 66.606,92.501 84.001,92.501 cw(c84.001,89.501) 87.001,89.501 87.001,72.106 cw(c84.001,72.106) 86.575,70.565 ; 13.001,21.501 ccw(c16.001,21.501) 16.001,18.501 33.396,18.501 ccw(c33.396,21.501) 35.517,23.623 18.123,41.017 ccw(c16.001,38.896) 13.001,38.896 13.001,21.501 ; 13.001,51.467 ccw(c16.008,51.467) 19.015,51.467 19.015,59.536 ccw(c16.008,59.536) 13.001,59.536 13.001,51.467 ; 13.001,72.106 ccw(c16.001,72.106) 18.123,69.985 35.517,87.38 ccw(c33.396,89.501) 33.396,92.501 16.001,92.501 ccw(c16.001,89.501) 13.001,89.501 13.001,72.106 ; 21.109,43.971 cw(c23.23,46.092) 23.23,49.092 34.94,49.092 cw(c35.293,41.1) 43.293,41.188 43.293,29.03 cw(c40.293,29.03) 38.171,26.908 21.109,43.971 ; 21.408,67.331 ccw(c23.53,65.21) 23.53,62.21 35.688,62.21 ccw(c35.6,70.209) 43.592,70.563 43.592,82.273 ccw(c40.592,82.273) 38.471,84.394 21.408,67.331 ; 25.126,53.001 cw(c25.126,55.501) 25.126,58.001 33.876,58.001 cw(c33.876,55.501) 33.876,53.001 25.126,53.001 ; 45.967,18.501 cw(c45.967,21.508) 45.967,24.515 54.036,24.515 cw(c54.036,21.508) 54.036,18.501 45.967,18.501 ; 45.967,86.488 cw(c45.967,89.495) 45.967,92.501 54.036,92.501 cw(c54.036,89.495) 54.036,86.488 45.967,86.488 ; 47.501,30.626 ccw(c50.001,30.626) 49.608,28.157 ccw(c50.001,28.376) 50.394,28.157 ccw(c50.001,30.626) 52.501,30.626 52.501,39.376 ccw(c50.001,39.376) 47.501,39.376 47.501,30.626 ; 47.501,71.626 ccw(c50.001,71.626) 52.501,71.626 52.501,80.376 ccw(c50.001,80.376) 47.501,80.376 47.501,71.626 ; 56.41,28.73 ccw(c59.41,28.73) 61.531,26.609 78.594,43.671 ccw(c76.473,45.793) 76.473,48.793 64.314,48.793 ccw(c64.402,40.793) 56.41,40.44 56.41,28.73 ; 56.71,69.814 ccw(c64.709,69.902) 65.063,61.91 76.773,61.91 ccw(c76.773,64.91) 78.894,67.031 61.831,84.094 ccw(c59.71,81.973) 56.71,81.973 56.71,69.814 ; 64.485,23.623 ccw(c66.606,21.501) 66.606,18.501 84.001,18.501 ccw(c84.001,21.501) 87.001,21.501 87.001,38.896 ccw(c84.001,38.896) 81.88,41.017 64.485,23.623 ; 66.126,53.001 cw(c66.126,55.501) 66.126,58.001 74.876,58.001 cw(c74.876,55.501) 77.357,55.812 cw(c77.031,55.501) 77.357,55.191 cw(c74.876,55.501) 74.876,53.001 66.126,53.001 ; 80.988,51.467 ccw(c83.995,51.467) 87.001,51.467 87.001,59.536 ccw(c83.995,59.536) 80.988,59.536 80.988,51.467
Mechanical 29:
  text "ANT1" at 79.6,114.9 h2
  text "ANT2" at -16.2,87.8 h2
  text "ANT4" at 108,21.8 h2
  text "ANT3" at 13.3,-4.9 h2
Mechanical 30:
  text "ANT1" at 86.25,114.9 h2
  text "ANT2" at -8.875,87.825 h2
  text "ANT4" at 115.325,21.8 h2
  text "ANT3" at 20.625,-4.9 h2